# Allegro board 6089-119-RevA_41.brd
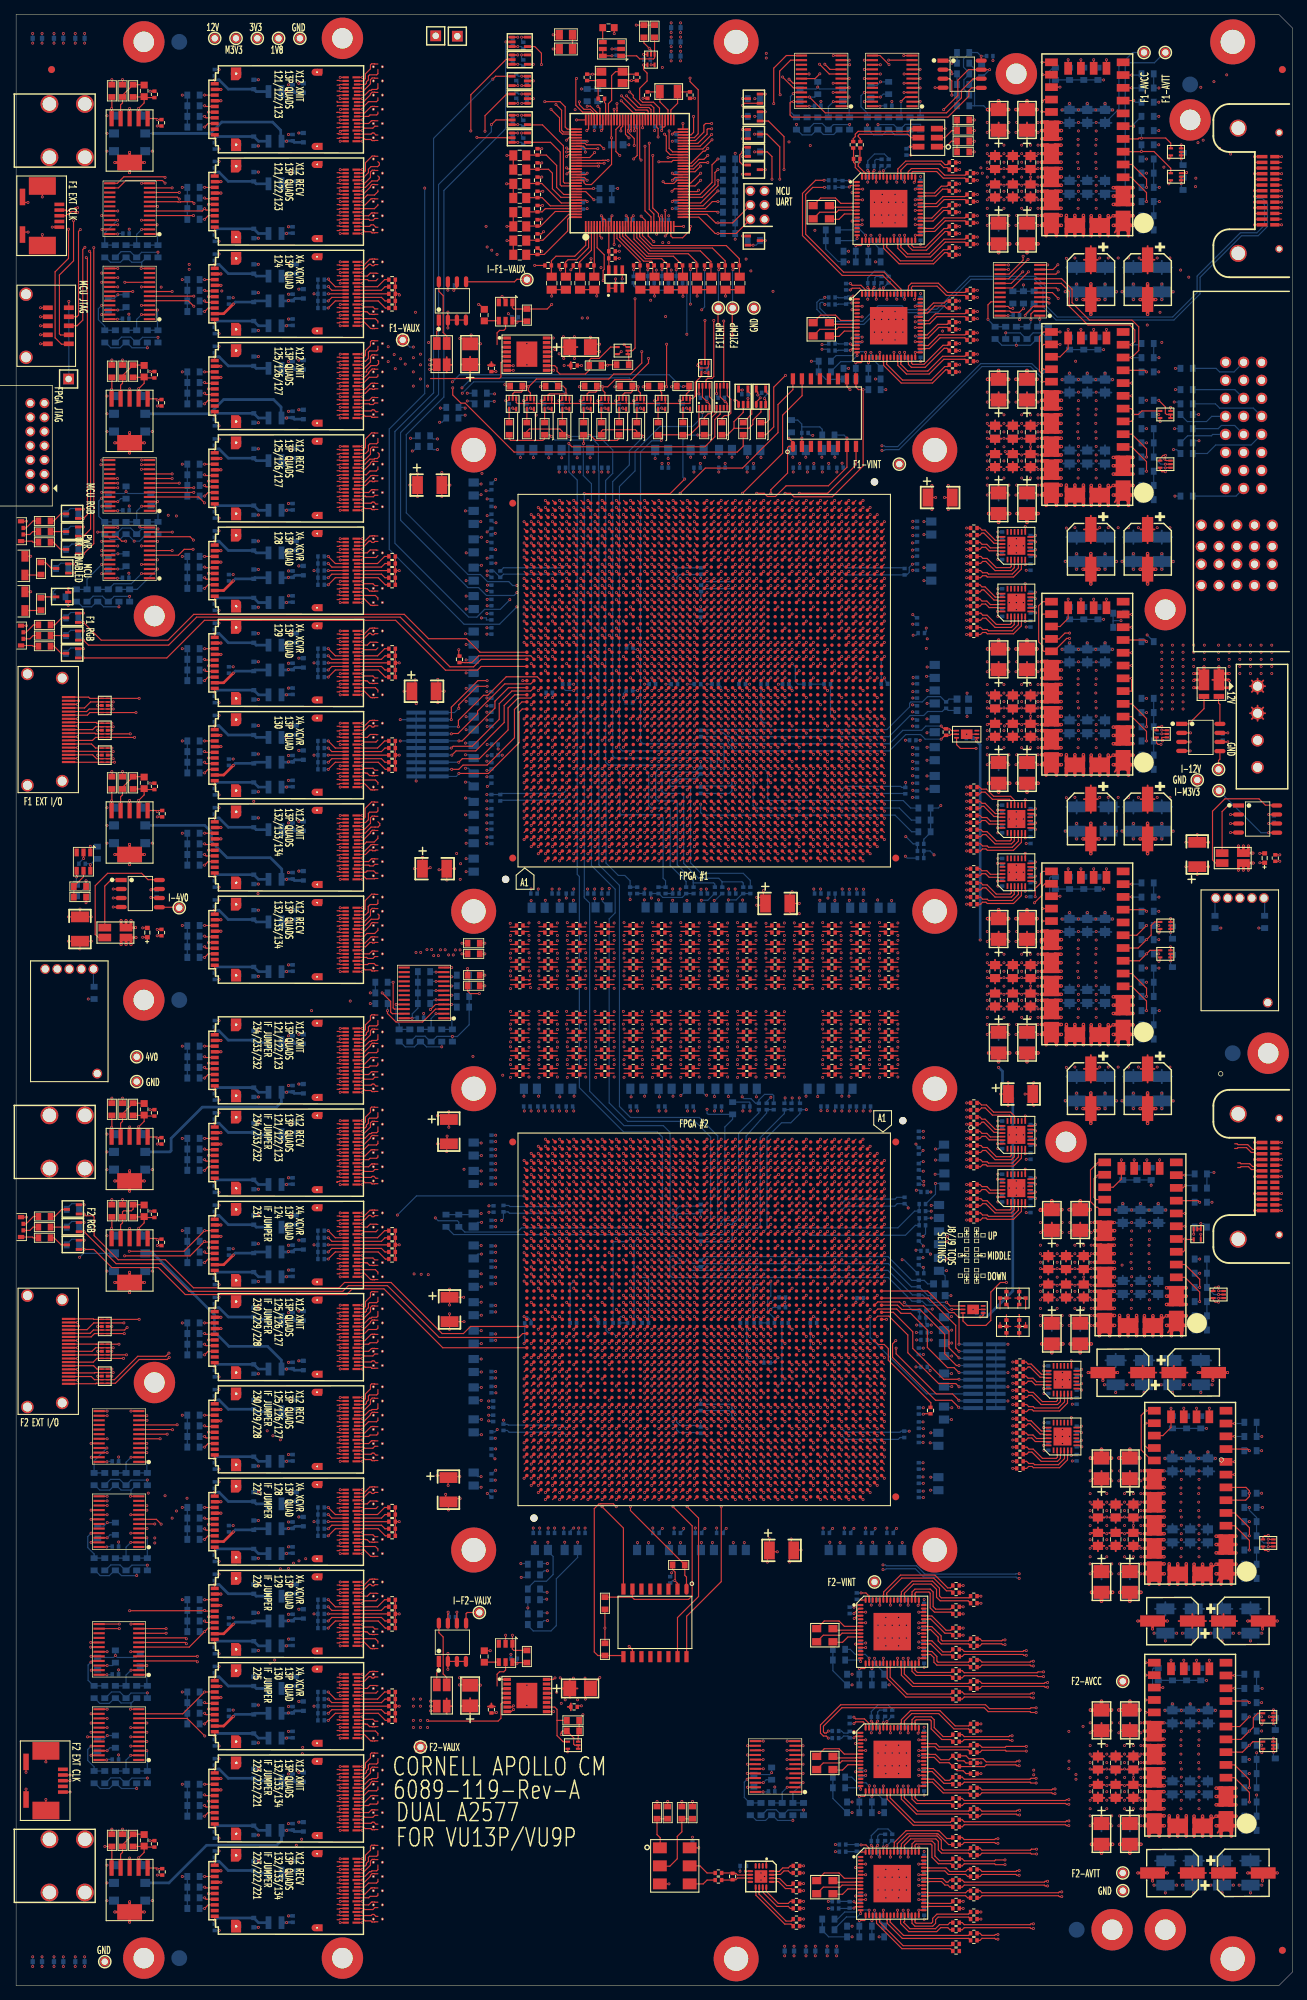
[diagram p0: board, top side]
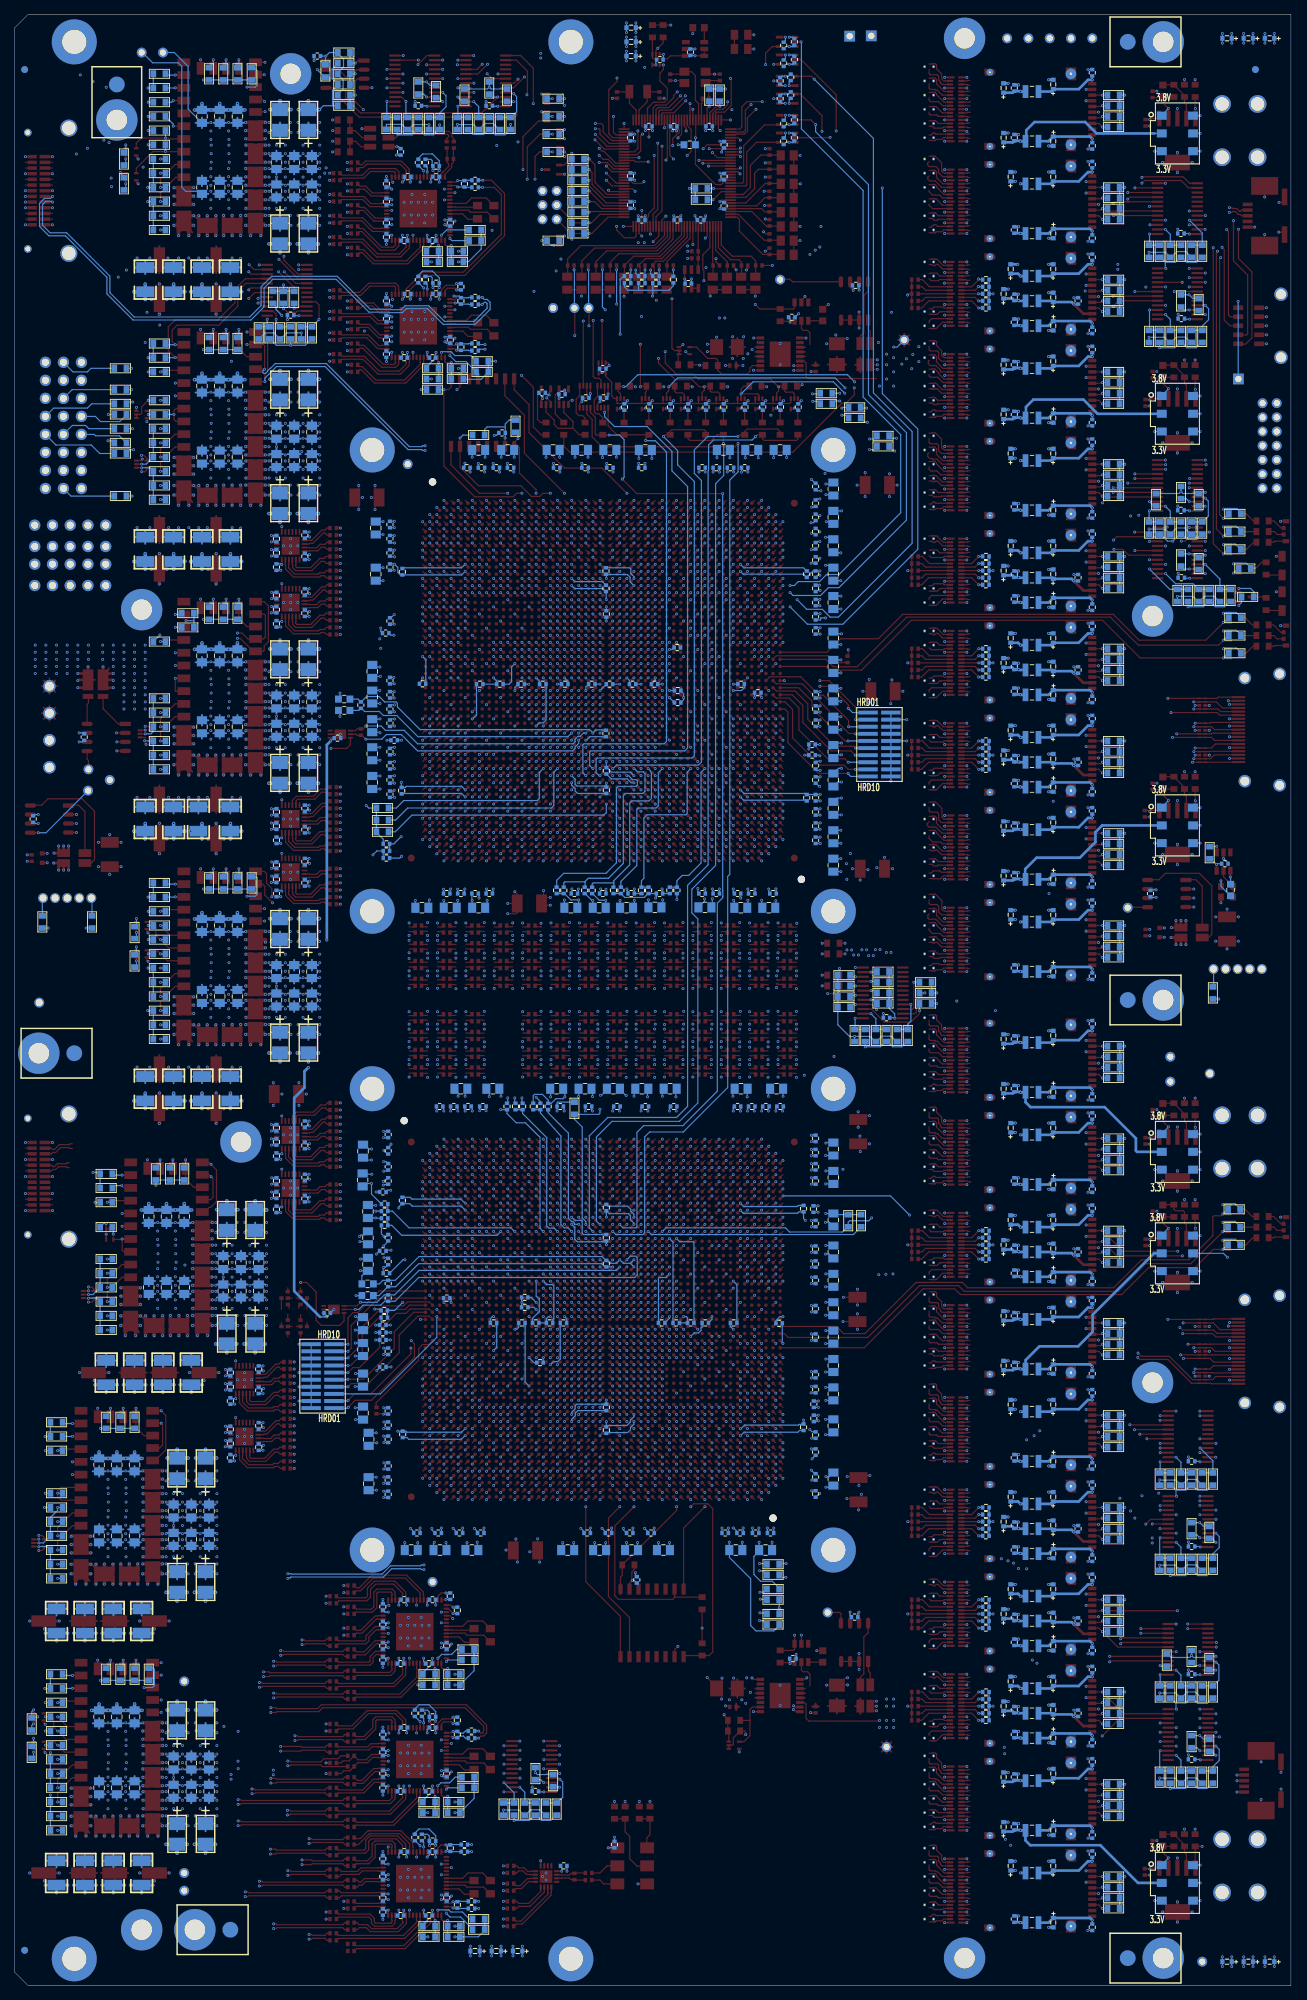
[diagram p1: board, bottom side, seen from below]

Outline 179.97 x 277.8 mm; copper layers: TOP, GND1, SIG1, GND2, SIG2, GND3, PWR1, PWR2, PWR3, PWR4, PWR5, PWR6, GND4, SIG3, GND5, SIG4, GND6, BOTTOM. Coordinates in mm from the lower left corner of the outline.
Outline path: 0,277.8 177.97,277.8 179.97,275.8 179.97,2 177.97,0 0,0 0,277.8

## Design rules (mm)
constraint set DEFAULT: min track width 0.165, pair gap 0.254
net group DP_AC_UTIL: nets AC_NUTIL AC_PUTIL
net group DP_BC_R0_OSC: nets BC_NR0_OSC BC_PR0_OSC
net group DP_F1_TCDS_CROSS_RECV_B: nets NF1_TCDS_CROSS_RECV_B PF1_TCDS_CROSS_RECV_B
net group DP_F1_TCDS_CROSS_XMIT_B: nets NF1_TCDS_CROSS_XMIT_B PF1_TCDS_CROSS_XMIT_B
net group DP_F2_TCDS_CROSS_RECV_B: nets NF2_TCDS_CROSS_RECV_B PF2_TCDS_CROSS_RECV_B
net group DP_F2_TCDS_CROSS_XMIT_B: nets NF2_TCDS_CROSS_XMIT_B PF2_TCDS_CROSS_XMIT_B
net group DP_100_OHM_PH: nets AC_NF1_TCDS40_CLK AC_NF1_TCDS_RECOV_CLK AC_NF1_XTAL_200 AC_NF1L_R0_AB AC_NF1L_R0_AD AC_NF1L_R0_AF AC_NF1L_R0_R AC_NF1L_R0_U AC_NF1L_R0_V AC_NF1L_R0_Y AC_NF1L_R1_AB AC_NF1L_R1_AD AC_NF1L_R1_AF AC_NF1L_R1_R AC_NF1L_R1_U AC_NF1L_R1_Y AC_NF1L_X4_R0_CLK AC_NF1L_X4_R0A AC_NF1L_X4_R0B AC_NF1L_X12_R0_CLK AC_NF1L_X12_R0A AC_NF1L_X12_R0B AC_NF1R_R0_B AC_NF1R_R0_E AC_NF1R_R0_F AC_NF1R_R0_G AC_NF1R_R0_I AC_NF1R_R0_L AC_NF1R_R0_N AC_NF1R_R1_B AC_NF1R_R1_E AC_NF1R_R1_G AC_NF1R_R1_I AC_NF1R_R1_L AC_NF1R_R1_N AC_NF1R_X4_R0_CLK AC_NF1R_X4_R0A AC_NF1R_X4_R0B AC_NF1R_X12_R0_CLK AC_NF1R_X12_R0A AC_NF1R_X12_R0B AC_NF2_TCDS40_CLK AC_NF2_XTAL_200 AC_NF2L_R0_AB AC_NF2L_R0_AD AC_NF2L_R0_AF AC_NF2L_R0_R AC_NF2L_R0_U AC_NF2L_R0_V AC_NF2L_R0_Y AC_NF2L_R1_AD AC_NF2L_R1_AF AC_NF2L_R1_R AC_NF2L_R1_U AC_NF2L_R1_Y AC_NF2L_X4_R0_CLK AC_NF2L_X4_R0A AC_NF2L_X4_R0B AC_NF2L_X12_R0_CLK AC_NF2L_X12_R0A AC_NF2L_X12_R0B AC_NF2R_R0_B AC_NF2R_R0_E AC_NF2R_R0_F AC_NF2R_R0_I AC_NF2R_R0_L AC_NF2R_R0_N AC_NF2R_R0_P AC_NF2R_R1_B AC_NF2R_R1_E AC_NF2R_R1_I AC_NF2R_R1_L AC_NF2R_R1_N AC_NF2R_R1_P AC_NF2R_X4_R0_CLK AC_NF2R_X4_R0A AC_NF2R_X4_R0B AC_NF2R_X12_R0_CLK AC_NF2R_X12_R0A AC_NF2R_X12_R0B AC_NHQ_CLK_IN AC_NLHC_CLK_IN AC_NNO_F2_TCDS40_CLK AC_NR0_FP_CLK AC_NR0_OSC AC_NR0A_FB AC_NR0B_FB AC_NR1_FP_CLK AC_NR1A_FB AC_NR1B_FB AC_NSYN_R0A_INA AC_NSYN_R0B_IN0 AC_NSYN_R1B_IN0 AC_NSYN_R1C_IN0 AC_PF1_TCDS40_CLK AC_PF1_TCDS_RECOV_CLK AC_PF1_XTAL_200 AC_PF1L_R0_AB AC_PF1L_R0_AD AC_PF1L_R0_AF AC_PF1L_R0_R AC_PF1L_R0_U AC_PF1L_R0_V AC_PF1L_R0_Y AC_PF1L_R1_AB AC_PF1L_R1_AD AC_PF1L_R1_AF AC_PF1L_R1_R AC_PF1L_R1_U AC_PF1L_R1_Y AC_PF1L_X4_R0_CLK AC_PF1L_X4_R0A AC_PF1L_X4_R0B AC_PF1L_X12_R0_CLK AC_PF1L_X12_R0A AC_PF1L_X12_R0B AC_PF1R_R0_B AC_PF1R_R0_E AC_PF1R_R0_F AC_PF1R_R0_G AC_PF1R_R0_I AC_PF1R_R0_L AC_PF1R_R0_N AC_PF1R_R1_B AC_PF1R_R1_E AC_PF1R_R1_G AC_PF1R_R1_I AC_PF1R_R1_L AC_PF1R_R1_N AC_PF1R_X4_R0_CLK AC_PF1R_X4_R0A AC_PF1R_X4_R0B AC_PF1R_X12_R0_CLK AC_PF1R_X12_R0A AC_PF1R_X12_R0B AC_PF2_TCDS40_CLK AC_PF2_XTAL_200 AC_PF2L_R0_AB AC_PF2L_R0_AD AC_PF2L_R0_AF AC_PF2L_R0_R AC_PF2L_R0_U AC_PF2L_R0_V AC_PF2L_R0_Y AC_PF2L_R1_AD AC_PF2L_R1_AF AC_PF2L_R1_R AC_PF2L_R1_U AC_PF2L_R1_Y AC_PF2L_X4_R0_CLK AC_PF2L_X4_R0A AC_PF2L_X4_R0B AC_PF2L_X12_R0_CLK AC_PF2L_X12_R0A AC_PF2L_X12_R0B AC_PF2R_R0_B AC_PF2R_R0_E AC_PF2R_R0_F AC_PF2R_R0_I AC_PF2R_R0_L AC_PF2R_R0_N AC_PF2R_R0_P AC_PF2R_R1_B AC_PF2R_R1_E AC_PF2R_R1_I AC_PF2R_R1_L AC_PF2R_R1_N AC_PF2R_R1_P AC_PF2R_X4_R0_CLK AC_PF2R_X4_R0A AC_PF2R_X4_R0B AC_PF2R_X12_R0_CLK AC_PF2R_X12_R0A AC_PF2R_X12_R0B AC_PHQ_CLK_IN AC_PLHC_CLK_IN AC_PNO_F2_TCDS40_CLK AC_PR0_FP_CLK AC_PR0_OSC AC_PR0A_FB AC_PR0B_FB AC_PR1_FP_CLK AC_PR1A_FB AC_PR1B_FB AC_PSYN_R0A_IN1 AC_PSYN_R0B_IN0 AC_PSYN_R1B_IN0 AC_PSYN_R1C_IN0 BC_NF1_TCDS_RECOV_CLK BC_NF1L_R0_1 BC_NF1L_R0_2 BC_NF1L_R0_3 BC_NF1L_R0_4 BC_NF1L_R0_5 BC_NF1L_R0_6 BC_NF1L_R0_7 BC_NF1L_R0_8 BC_NF1R_R0_1 BC_NF1R_R0_2 BC_NF1R_R0_3 BC_NF1R_R0_4 BC_NF1R_R0_5 BC_NF1R_R0_6 BC_NF1R_R0_7 BC_NF1R_R0_8 BC_NF2L_R0_1 BC_NF2L_R0_2 BC_NF2L_R0_3 BC_NF2L_R0_4 BC_NF2L_R0_5 BC_NF2L_R0_6 BC_NF2L_R0_7 BC_NF2L_R0_8 BC_NF2R_R0_1 BC_NF2R_R0_2 BC_NF2R_R0_3 BC_NF2R_R0_4 BC_NF2R_R0_5 BC_NF2R_R0_6 BC_NF2R_R0_7 BC_NF2R_R0_8 BC_NHQ_CLK_IN BC_NLHC_CLK_IN BC_NR0_FP_CLK BC_NR0A_0 BC_NR0A_1 BC_NR0A_2 BC_NR0A_3 BC_NR0A_4 BC_NR0A_5 BC_NR0A_6 BC_NR0A_7 BC_NR0A_8 BC_NR0A_FB BC_NR0B_1 BC_NR0B_2 BC_NR0B_3 BC_NR0B_4 BC_NR0B_5 BC_NR0B_6 BC_NR0B_7 BC_NR0B_8 BC_NR0B_FB BC_NR1_FP_CLK BC_NR1A_0 BC_NR1A_1 BC_NR1A_2 BC_NR1A_3 BC_NR1A_4 BC_NR1A_5 BC_NR1A_6 BC_NR1A_7 BC_NR1A_8 BC_NR1A_9 BC_NR1A_10 BC_NR1A_FB BC_NR1B_0 BC_NR1B_1 BC_NR1B_2 BC_NR1B_3 BC_NR1B_4 BC_NR1B_5 BC_NR1B_6 BC_NR1B_7 BC_NR1B_8 BC_NR1B_FB BC_NR1C_0 BC_NR1C_1 BC_NR1C_2 BC_NR1C_3 BC_NR1C_4 BC_NR1C_5 BC_NR1C_6 BC_NR1C_7 BC_NR1C_8 BC_NR1C_9 BC_NUTIL BC_NUTIL_0 BC_NUTIL_1 BC_NUTIL_2 BC_NUTIL_3 BC_PF1_TCDS_RECOV_CLK BC_PF1L_R0_1 BC_PF1L_R0_2 BC_PF1L_R0_3 BC_PF1L_R0_4 BC_PF1L_R0_5 BC_PF1L_R0_6 BC_PF1L_R0_7 BC_PF1L_R0_8 BC_PF1R_R0_1 BC_PF1R_R0_2 BC_PF1R_R0_3 BC_PF1R_R0_4 BC_PF1R_R0_5 BC_PF1R_R0_6 BC_PF1R_R0_7 BC_PF1R_R0_8 BC_PF2L_R0_1 BC_PF2L_R0_2 BC_PF2L_R0_3 BC_PF2L_R0_4 BC_PF2L_R0_5 BC_PF2L_R0_6 BC_PF2L_R0_7 BC_PF2L_R0_8 BC_PF2R_R0_1 BC_PF2R_R0_2 BC_PF2R_R0_3 BC_PF2R_R0_4 BC_PF2R_R0_5 BC_PF2R_R0_6 BC_PF2R_R0_7 BC_PF2R_R0_8 BC_PHQ_CLK_IN BC_PLHC_CLK_IN BC_PR0_FP_CLK BC_PR0A_0 BC_PR0A_1 BC_PR0A_2 BC_PR0A_3 BC_PR0A_4 BC_PR0A_5 BC_PR0A_6 BC_PR0A_7 BC_PR0A_8 BC_PR0A_FB BC_PR0B_1 BC_PR0B_2 BC_PR0B_3 BC_PR0B_4 BC_PR0B_5 BC_PR0B_6 BC_PR0B_7 BC_PR0B_8 BC_PR0B_FB BC_PR1_FP_CLK BC_PR1A_0 BC_PR1A_1 BC_PR1A_2 BC_PR1A_3 BC_PR1A_4 BC_PR1A_5 BC_PR1A_6 BC_PR1A_7 BC_PR1A_8 BC_PR1A_9 BC_PR1A_10 BC_PR1A_FB BC_PR1B_0 BC_PR1B_1 BC_PR1B_2 BC_PR1B_3 BC_PR1B_4 BC_PR1B_5 BC_PR1B_6 BC_PR1B_7 BC_PR1B_8 BC_PR1B_FB BC_PR1C_0 BC_PR1C_1 BC_PR1C_2 BC_PR1C_3 BC_PR1C_4 BC_PR1C_5 BC_PR1C_6 BC_PR1C_7 BC_PR1C_8 BC_PR1C_9 BC_PUTIL BC_PUTIL_0 BC_PUTIL_1 BC_PUTIL_2 BC_PUTIL_3 NF1F2_SPARE0 NF1F2_SPARE1 NF1F2_SPARE2 NF2F1_SPARE0 NF2F1_SPARE1 NF2F1_SPARE2 NV_1V8_SENSE NV_3V3_SENSE NV_F1_AVCC_SENSE NV_F1_AVTT_SENSE NV_F1_INT_SENSE NV_F2_AVCC_SENSE NV_F2_AVTT_SENSE NV_F2_INT_SENSE NXTAL_R0A NXTAL_R1A NXTAL_R1B NXTAL_R1C PF1F2_SPARE0 PF1F2_SPARE1 PF1F2_SPARE2 PF2F1_SPARE0 PF2F1_SPARE1 PF2F1_SPARE2 PV_1V8_SENSE PV_3V3_SENSE PV_F1_AVCC_SENSE PV_F1_AVTT_SENSE PV_F1_INT_SENSE PV_F2_AVCC_SENSE PV_F2_AVTT_SENSE PV_F2_INT_SENSE PXTAL_R0A PXTAL_R1A PXTAL_R1B PXTAL_R1C
net group SCS_MGT: nets NCON1_TCDS_IN NCON1_TCDS_OUT NCON2_TCDS_IN NCON2_TCDS_MIXED_IN NCON2_TCDS_MIXED_OUT NCON2_TCDS_OUT NF1_A_RECV0 NF1_A_RECV1 NF1_A_RECV2 NF1_A_RECV3 NF1_A_XMIT0 NF1_A_XMIT1 NF1_A_XMIT2 NF1_A_XMIT3 NF1_B_RECV0 NF1_B_RECV1 NF1_B_RECV2 NF1_B_RECV3 NF1_B_XMIT0 NF1_B_XMIT1 NF1_B_XMIT2 NF1_B_XMIT3 NF1_C_RECV0 NF1_C_RECV1 NF1_C_RECV2 NF1_C_RECV3 NF1_C_XMIT0 NF1_C_XMIT1 NF1_C_XMIT2 NF1_C_XMIT3 NF1_D_RECV0 NF1_D_RECV1 NF1_D_RECV2 NF1_D_RECV3 NF1_D_XMIT0 NF1_D_XMIT1 NF1_D_XMIT2 NF1_D_XMIT3 NF1_E_RECV0 NF1_E_RECV1 NF1_E_RECV2 NF1_E_RECV3 NF1_E_XMIT0 NF1_E_XMIT1 NF1_E_XMIT2 NF1_E_XMIT3 NF1_F_RECV0 NF1_F_RECV1 NF1_F_RECV2 NF1_F_RECV3 NF1_F_XMIT0 NF1_F_XMIT1 NF1_F_XMIT2 NF1_F_XMIT3 NF1_FF1_RECV0 NF1_FF1_RECV1 NF1_FF1_RECV2 NF1_FF1_RECV3 NF1_FF1_RECV4 NF1_FF1_RECV5 NF1_FF1_RECV6 NF1_FF1_RECV7 NF1_FF1_RECV8 NF1_FF1_RECV9 NF1_FF1_RECV10 NF1_FF1_RECV11 NF1_FF1_XMIT0 NF1_FF1_XMIT1 NF1_FF1_XMIT2 NF1_FF1_XMIT3 NF1_FF1_XMIT4 NF1_FF1_XMIT5 NF1_FF1_XMIT6 NF1_FF1_XMIT7 NF1_FF1_XMIT8 NF1_FF1_XMIT9 NF1_FF1_XMIT10 NF1_FF1_XMIT11 NF1_FF2_RECV0 NF1_FF2_RECV1 NF1_FF2_RECV2 NF1_FF2_RECV3 NF1_FF2_RECV4 NF1_FF2_RECV5 NF1_FF2_RECV6 NF1_FF2_RECV7 NF1_FF2_RECV8 NF1_FF2_RECV9 NF1_FF2_RECV10 NF1_FF2_RECV11 NF1_FF2_XMIT0 NF1_FF2_XMIT1 NF1_FF2_XMIT2 NF1_FF2_XMIT3 NF1_FF2_XMIT4 NF1_FF2_XMIT5 NF1_FF2_XMIT6 NF1_FF2_XMIT7 NF1_FF2_XMIT8 NF1_FF2_XMIT9 NF1_FF2_XMIT10 NF1_FF2_XMIT11 NF1_FF3_RECV0 NF1_FF3_RECV1 NF1_FF3_RECV2 NF1_FF3_RECV3 NF1_FF3_RECV4 NF1_FF3_RECV5 NF1_FF3_RECV6 NF1_FF3_RECV7 NF1_FF3_RECV8 NF1_FF3_RECV9 NF1_FF3_RECV10 NF1_FF3_RECV11 NF1_FF3_XMIT0 NF1_FF3_XMIT1 NF1_FF3_XMIT2 NF1_FF3_XMIT3 NF1_FF3_XMIT4 NF1_FF3_XMIT5 NF1_FF3_XMIT6 NF1_FF3_XMIT7 NF1_FF3_XMIT8 NF1_FF3_XMIT9 NF1_FF3_XMIT10 NF1_FF3_XMIT11 NF1_FF4_RECV0 NF1_FF4_RECV1 NF1_FF4_RECV2 NF1_FF4_RECV3 NF1_FF4_XMIT0 NF1_FF4_XMIT1 NF1_FF4_XMIT2 NF1_FF4_XMIT3 NF1_FF5_RECV0 NF1_FF5_RECV1 NF1_FF5_RECV2 NF1_FF5_RECV3 NF1_FF5_XMIT0 NF1_FF5_XMIT1 NF1_FF5_XMIT2 NF1_FF5_XMIT3 NF1_FF6_RECV0 NF1_FF6_RECV1 NF1_FF6_RECV2 NF1_FF6_RECV3 NF1_FF6_XMIT0 NF1_FF6_XMIT1 NF1_FF6_XMIT2 NF1_FF6_XMIT3 NF1_FF7_RECV0 NF1_FF7_RECV1 NF1_FF7_RECV2 NF1_FF7_RECV3 NF1_FF7_XMIT0 NF1_FF7_XMIT1 NF1_FF7_XMIT2 NF1_FF7_XMIT3 NF1_G_RECV0 NF1_G_RECV1 NF1_G_RECV2 NF1_G_RECV3 NF1_G_XMIT0 NF1_G_XMIT1 NF1_G_XMIT2 NF1_G_XMIT3 NF1_H_RECV0 NF1_H_RECV1 NF1_H_RECV2 NF1_H_RECV3 NF1_H_XMIT0 NF1_H_XMIT1 NF1_H_XMIT2 NF1_H_XMIT3 NF1_I_RECV0 NF1_I_RECV1 NF1_I_RECV2 NF1_I_RECV3 NF1_I_XMIT0 NF1_I_XMIT1 NF1_I_XMIT2 NF1_I_XMIT3 NF1_J_RECV0 NF1_J_RECV1 NF1_J_RECV2 NF1_J_RECV3 NF1_J_XMIT0 NF1_J_XMIT1 NF1_J_XMIT2 NF1_J_XMIT3 NF1_M_RECV0 NF1_M_RECV1 NF1_M_RECV2 NF1_M_RECV3 NF1_M_XMIT0 NF1_M_XMIT1 NF1_M_XMIT2 NF1_M_XMIT3 NF1_N_RECV0 NF1_N_RECV1 NF1_N_RECV2 NF1_N_RECV3 NF1_N_XMIT0 NF1_N_XMIT1 NF1_N_XMIT2 NF1_N_XMIT3 NF1_O_RECV0 NF1_O_RECV1 NF1_O_RECV2 NF1_O_RECV3 NF1_O_XMIT0 NF1_O_XMIT1 NF1_O_XMIT2 NF1_O_XMIT3 NF1_TCDS_CROSS_RECV_A NF1_TCDS_CROSS_XMIT_A NF2_A_RECV0 NF2_A_RECV1 NF2_A_RECV2 NF2_A_RECV3 NF2_A_XMIT0 NF2_A_XMIT1 NF2_A_XMIT2 NF2_A_XMIT3 NF2_B_RECV0 NF2_B_RECV1 NF2_B_RECV2 NF2_B_RECV3 NF2_B_XMIT0 NF2_B_XMIT1 NF2_B_XMIT2 NF2_B_XMIT3 NF2_C_RECV0 NF2_C_RECV1 NF2_C_RECV2 NF2_C_RECV3 NF2_C_XMIT0 NF2_C_XMIT1 NF2_C_XMIT2 NF2_C_XMIT3 NF2_D_RECV0 NF2_D_RECV1 NF2_D_RECV2 NF2_D_RECV3 NF2_D_XMIT0 NF2_D_XMIT1 NF2_D_XMIT2 NF2_D_XMIT3 NF2_E_RECV0 NF2_E_RECV1 NF2_E_RECV2 NF2_E_RECV3 NF2_E_XMIT0 NF2_E_XMIT1 NF2_E_XMIT2 NF2_E_XMIT3 NF2_F_RECV0 NF2_F_RECV1 NF2_F_RECV2 NF2_F_RECV3 NF2_F_XMIT0 NF2_F_XMIT1 NF2_F_XMIT2 NF2_F_XMIT3 NF2_FF1_RECV0 NF2_FF1_RECV1 NF2_FF1_RECV2 NF2_FF1_RECV3 NF2_FF1_RECV4 NF2_FF1_RECV5 NF2_FF1_RECV6 NF2_FF1_RECV7 NF2_FF1_RECV8 NF2_FF1_RECV9 NF2_FF1_RECV10 NF2_FF1_RECV11 NF2_FF1_XMIT0 NF2_FF1_XMIT1 NF2_FF1_XMIT2 NF2_FF1_XMIT3 NF2_FF1_XMIT4 NF2_FF1_XMIT5 NF2_FF1_XMIT6 NF2_FF1_XMIT7 NF2_FF1_XMIT8 NF2_FF1_XMIT9 NF2_FF1_XMIT10 NF2_FF1_XMIT11 NF2_FF2_RECV0 NF2_FF2_RECV1 NF2_FF2_RECV2 NF2_FF2_RECV3 NF2_FF2_RECV4 NF2_FF2_RECV5 NF2_FF2_RECV6 NF2_FF2_RECV7 NF2_FF2_RECV8 NF2_FF2_RECV9 NF2_FF2_RECV10 NF2_FF2_RECV11 NF2_FF2_XMIT0 NF2_FF2_XMIT1 NF2_FF2_XMIT2 NF2_FF2_XMIT3 NF2_FF2_XMIT4 NF2_FF2_XMIT5 NF2_FF2_XMIT6 NF2_FF2_XMIT7 NF2_FF2_XMIT8 NF2_FF2_XMIT9 NF2_FF2_XMIT10 NF2_FF2_XMIT11 NF2_FF3_RECV0 NF2_FF3_RECV1 NF2_FF3_RECV2 NF2_FF3_RECV3 NF2_FF3_RECV4 NF2_FF3_RECV5 NF2_FF3_RECV6 NF2_FF3_RECV7 NF2_FF3_RECV8 NF2_FF3_RECV9 NF2_FF3_RECV10 NF2_FF3_RECV11 NF2_FF3_XMIT0 NF2_FF3_XMIT1 NF2_FF3_XMIT2 NF2_FF3_XMIT3 NF2_FF3_XMIT4 NF2_FF3_XMIT5 NF2_FF3_XMIT6 NF2_FF3_XMIT7 NF2_FF3_XMIT8 NF2_FF3_XMIT9 NF2_FF3_XMIT10 NF2_FF3_XMIT11 NF2_FF4_RECV0 NF2_FF4_RECV1 NF2_FF4_RECV2 NF2_FF4_RECV3 NF2_FF4_XMIT0 NF2_FF4_XMIT1 NF2_FF4_XMIT2 NF2_FF4_XMIT3 NF2_FF5_RECV0 NF2_FF5_RECV1 NF2_FF5_RECV2 NF2_FF5_RECV3 NF2_FF5_XMIT0 NF2_FF5_XMIT1 NF2_FF5_XMIT2 NF2_FF5_XMIT3 NF2_FF6_RECV0 NF2_FF6_RECV1 NF2_FF6_RECV2 NF2_FF6_RECV3 NF2_FF6_XMIT0 NF2_FF6_XMIT1 NF2_FF6_XMIT2 NF2_FF6_XMIT3 NF2_FF7_RECV0 NF2_FF7_RECV1 NF2_FF7_RECV2 NF2_FF7_RECV3 NF2_FF7_XMIT0 NF2_FF7_XMIT1 NF2_FF7_XMIT2 NF2_FF7_XMIT3 NF2_H_RECV0 NF2_H_RECV1 NF2_H_RECV2 NF2_H_RECV3 NF2_H_XMIT0 NF2_H_XMIT1 NF2_H_XMIT2 NF2_H_XMIT3 NF2_I_RECV0 NF2_I_RECV1 NF2_I_RECV2 NF2_I_RECV3 NF2_I_XMIT0 NF2_I_XMIT1 NF2_I_XMIT2 NF2_I_XMIT3 NF2_J_RECV0 NF2_J_RECV1 NF2_J_RECV2 NF2_J_RECV3 NF2_J_XMIT0 NF2_J_XMIT1 NF2_J_XMIT2 NF2_J_XMIT3 NF2_M_RECV0 NF2_M_RECV1 NF2_M_RECV2 NF2_M_RECV3 NF2_M_XMIT0 NF2_M_XMIT1 NF2_M_XMIT2 NF2_M_XMIT3 NF2_N_RECV0 NF2_N_RECV1 NF2_N_RECV2 NF2_N_RECV3 NF2_N_XMIT0 NF2_N_XMIT1 NF2_N_XMIT2 NF2_N_XMIT3 NF2_O_RECV0 NF2_O_RECV1 NF2_O_RECV2 NF2_O_RECV3 NF2_O_XMIT0 NF2_O_XMIT1 NF2_O_XMIT2 NF2_O_XMIT3 NF2_P_RECV0 NF2_P_RECV1 NF2_P_RECV2 NF2_P_RECV3 NF2_P_XMIT0 NF2_P_XMIT1 NF2_P_XMIT2 NF2_P_XMIT3 NF2_TCDS_CROSS_RECV_A NF2_TCDS_CROSS_XMIT_A NMGT_F1_TO_SM_1 NMGT_F1_TO_SM_2 NMGT_F2_TO_SM_1 NMGT_F2_TO_SM_2 NMGT_SM_TO_F1_1 NMGT_SM_TO_F1_2 NMGT_SM_TO_F2_1 NMGT_SM_TO_F2_2 NTCDS_FROM_ZYNQ_A NTCDS_FROM_ZYNQ_B NTCDS_TO_ZYNQ_A NTCDS_TO_ZYNQ_B PCON1_TCDS_IN PCON1_TCDS_OUT PCON2_TCDS_IN PCON2_TCDS_MIXED_IN PCON2_TCDS_MIXED_OUT PCON2_TCDS_OUT PF1_A_RECV0 PF1_A_RECV1 PF1_A_RECV2 PF1_A_RECV3 PF1_A_XMIT0 PF1_A_XMIT1 PF1_A_XMIT2 PF1_A_XMIT3 PF1_B_RECV0 PF1_B_RECV1 PF1_B_RECV2 PF1_B_RECV3 PF1_B_XMIT0 PF1_B_XMIT1 PF1_B_XMIT2 PF1_B_XMIT3 PF1_C_RECV0 PF1_C_RECV1 PF1_C_RECV2 PF1_C_RECV3 PF1_C_XMIT0 PF1_C_XMIT1 PF1_C_XMIT2 PF1_C_XMIT3 PF1_D_RECV0 PF1_D_RECV1 PF1_D_RECV2 PF1_D_RECV3 PF1_D_XMIT0 PF1_D_XMIT1 PF1_D_XMIT2 PF1_D_XMIT3 PF1_E_RECV0 PF1_E_RECV1 PF1_E_RECV2 PF1_E_RECV3 PF1_E_XMIT0 PF1_E_XMIT1 PF1_E_XMIT2 PF1_E_XMIT3 PF1_F_RECV0 PF1_F_RECV1 PF1_F_RECV2 PF1_F_RECV3 PF1_F_XMIT0 PF1_F_XMIT1 PF1_F_XMIT2 PF1_F_XMIT3 PF1_FF1_RECV0 PF1_FF1_RECV1 PF1_FF1_RECV2 PF1_FF1_RECV3 PF1_FF1_RECV4 PF1_FF1_RECV5 PF1_FF1_RECV6 PF1_FF1_RECV7 PF1_FF1_RECV8 PF1_FF1_RECV9 PF1_FF1_RECV10 PF1_FF1_RECV11 PF1_FF1_XMIT0 PF1_FF1_XMIT1 PF1_FF1_XMIT2 PF1_FF1_XMIT3 PF1_FF1_XMIT4 PF1_FF1_XMIT5 PF1_FF1_XMIT6 PF1_FF1_XMIT7 PF1_FF1_XMIT8 PF1_FF1_XMIT9 PF1_FF1_XMIT10 PF1_FF1_XMIT11 PF1_FF2_RECV0 PF1_FF2_RECV1 PF1_FF2_RECV2 PF1_FF2_RECV3 PF1_FF2_RECV4 PF1_FF2_RECV5 PF1_FF2_RECV6 PF1_FF2_RECV7 PF1_FF2_RECV8 PF1_FF2_RECV9 PF1_FF2_RECV10 PF1_FF2_RECV11 PF1_FF2_XMIT0 PF1_FF2_XMIT1 PF1_FF2_XMIT2 PF1_FF2_XMIT3 PF1_FF2_XMIT4 PF1_FF2_XMIT5 PF1_FF2_XMIT6 PF1_FF2_XMIT7 PF1_FF2_XMIT8 PF1_FF2_XMIT9 PF1_FF2_XMIT10 PF1_FF2_XMIT11 PF1_FF3_RECV0 PF1_FF3_RECV1 PF1_FF3_RECV2 PF1_FF3_RECV3 PF1_FF3_RECV4 PF1_FF3_RECV5 PF1_FF3_RECV6 PF1_FF3_RECV7 PF1_FF3_RECV8 PF1_FF3_RECV9 PF1_FF3_RECV10 PF1_FF3_RECV11 PF1_FF3_XMIT0 PF1_FF3_XMIT1 PF1_FF3_XMIT2 PF1_FF3_XMIT3 PF1_FF3_XMIT4 PF1_FF3_XMIT5 PF1_FF3_XMIT6 PF1_FF3_XMIT7 PF1_FF3_XMIT8 PF1_FF3_XMIT9 PF1_FF3_XMIT10 PF1_FF3_XMIT11 PF1_FF4_RECV0 PF1_FF4_RECV1 PF1_FF4_RECV2 PF1_FF4_RECV3 PF1_FF4_XMIT0 PF1_FF4_XMIT1 PF1_FF4_XMIT2 PF1_FF4_XMIT3 PF1_FF5_RECV0 PF1_FF5_RECV1 PF1_FF5_RECV2 PF1_FF5_RECV3 PF1_FF5_XMIT0 PF1_FF5_XMIT1 PF1_FF5_XMIT2 PF1_FF5_XMIT3 PF1_FF6_RECV0 PF1_FF6_RECV1 PF1_FF6_RECV2 PF1_FF6_RECV3 PF1_FF6_XMIT0 PF1_FF6_XMIT1 PF1_FF6_XMIT2 PF1_FF6_XMIT3 PF1_FF7_RECV0 PF1_FF7_RECV1 PF1_FF7_RECV2 PF1_FF7_RECV3 PF1_FF7_XMIT0 PF1_FF7_XMIT1 PF1_FF7_XMIT2 PF1_FF7_XMIT3 PF1_G_RECV0 PF1_G_RECV1 PF1_G_RECV2 PF1_G_RECV3 PF1_G_XMIT0 PF1_G_XMIT1 PF1_G_XMIT2 PF1_G_XMIT3 PF1_H_RECV0 PF1_H_RECV1 PF1_H_RECV2 PF1_H_RECV3 PF1_H_XMIT0 PF1_H_XMIT1 PF1_H_XMIT2 PF1_H_XMIT3 PF1_I_RECV0 PF1_I_RECV1 PF1_I_RECV2 PF1_I_RECV3 PF1_I_XMIT0 PF1_I_XMIT1 PF1_I_XMIT2 PF1_I_XMIT3 PF1_J_RECV0 PF1_J_RECV1 PF1_J_RECV2 PF1_J_RECV3 PF1_J_XMIT0 PF1_J_XMIT1 PF1_J_XMIT2 PF1_J_XMIT3 PF1_M_RECV0 PF1_M_RECV1 PF1_M_RECV2 PF1_M_RECV3 PF1_M_XMIT0 PF1_M_XMIT1 PF1_M_XMIT2 PF1_M_XMIT3 PF1_N_RECV0 PF1_N_RECV1 PF1_N_RECV2 PF1_N_RECV3 PF1_N_XMIT0 PF1_N_XMIT1 PF1_N_XMIT2 PF1_N_XMIT3 PF1_O_RECV0 PF1_O_RECV1 PF1_O_RECV2 PF1_O_RECV3 PF1_O_XMIT0 PF1_O_XMIT1 PF1_O_XMIT2 PF1_O_XMIT3 PF1_TCDS_CROSS_RECV_A PF1_TCDS_CROSS_XMIT_A PF2_A_RECV0 PF2_A_RECV1 PF2_A_RECV2 PF2_A_RECV3 PF2_A_XMIT0 PF2_A_XMIT1 PF2_A_XMIT2 PF2_A_XMIT3 PF2_B_RECV0 PF2_B_RECV1 PF2_B_RECV2 PF2_B_RECV3 PF2_B_XMIT0 PF2_B_XMIT1 PF2_B_XMIT2 PF2_B_XMIT3 PF2_C_RECV0 PF2_C_RECV1 PF2_C_RECV2 PF2_C_RECV3 PF2_C_XMIT0 PF2_C_XMIT1 PF2_C_XMIT2 PF2_C_XMIT3 PF2_D_RECV0 PF2_D_RECV1 PF2_D_RECV2 PF2_D_RECV3 PF2_D_XMIT0 PF2_D_XMIT1 PF2_D_XMIT2 PF2_D_XMIT3 PF2_E_RECV0 PF2_E_RECV1 PF2_E_RECV2 PF2_E_RECV3 PF2_E_XMIT0 PF2_E_XMIT1 PF2_E_XMIT2 PF2_E_XMIT3 PF2_F_RECV0 PF2_F_RECV1 PF2_F_RECV2 PF2_F_RECV3 PF2_F_XMIT0 PF2_F_XMIT1 PF2_F_XMIT2 PF2_F_XMIT3 PF2_FF1_RECV0 PF2_FF1_RECV1 PF2_FF1_RECV2 PF2_FF1_RECV3 PF2_FF1_RECV4 PF2_FF1_RECV5 PF2_FF1_RECV6 PF2_FF1_RECV7 PF2_FF1_RECV8 PF2_FF1_RECV9 PF2_FF1_RECV10 PF2_FF1_RECV11 PF2_FF1_XMIT0 PF2_FF1_XMIT1 PF2_FF1_XMIT2 PF2_FF1_XMIT3 PF2_FF1_XMIT4 PF2_FF1_XMIT5 PF2_FF1_XMIT6 PF2_FF1_XMIT7 PF2_FF1_XMIT8 PF2_FF1_XMIT9 PF2_FF1_XMIT10 PF2_FF1_XMIT11 PF2_FF2_RECV0 PF2_FF2_RECV1 PF2_FF2_RECV2 PF2_FF2_RECV3 PF2_FF2_RECV4 PF2_FF2_RECV5 PF2_FF2_RECV6 PF2_FF2_RECV7 PF2_FF2_RECV8 PF2_FF2_RECV9 PF2_FF2_RECV10 PF2_FF2_RECV11 PF2_FF2_XMIT0 PF2_FF2_XMIT1 PF2_FF2_XMIT2 PF2_FF2_XMIT3 PF2_FF2_XMIT4 PF2_FF2_XMIT5 PF2_FF2_XMIT6 PF2_FF2_XMIT7 PF2_FF2_XMIT8 PF2_FF2_XMIT9 PF2_FF2_XMIT10 PF2_FF2_XMIT11 PF2_FF3_RECV0 PF2_FF3_RECV1 PF2_FF3_RECV2 PF2_FF3_RECV3 PF2_FF3_RECV4 PF2_FF3_RECV5 PF2_FF3_RECV6 PF2_FF3_RECV7 PF2_FF3_RECV8 PF2_FF3_RECV9 PF2_FF3_RECV10 PF2_FF3_RECV11 PF2_FF3_XMIT0 PF2_FF3_XMIT1 PF2_FF3_XMIT2 PF2_FF3_XMIT3 PF2_FF3_XMIT4 PF2_FF3_XMIT5 PF2_FF3_XMIT6 PF2_FF3_XMIT7 PF2_FF3_XMIT8 PF2_FF3_XMIT9 PF2_FF3_XMIT10 PF2_FF3_XMIT11 PF2_FF4_RECV0 PF2_FF4_RECV1 PF2_FF4_RECV2 PF2_FF4_RECV3 PF2_FF4_XMIT0 PF2_FF4_XMIT1 PF2_FF4_XMIT2 PF2_FF4_XMIT3 PF2_FF5_RECV0 PF2_FF5_RECV1 PF2_FF5_RECV2 PF2_FF5_RECV3 PF2_FF5_XMIT0 PF2_FF5_XMIT1 PF2_FF5_XMIT2 PF2_FF5_XMIT3 PF2_FF6_RECV0 PF2_FF6_RECV1 PF2_FF6_RECV2 PF2_FF6_RECV3 PF2_FF6_XMIT0 PF2_FF6_XMIT1 PF2_FF6_XMIT2 PF2_FF6_XMIT3 PF2_FF7_RECV0 PF2_FF7_RECV1 PF2_FF7_RECV2 PF2_FF7_RECV3 PF2_FF7_XMIT0 PF2_FF7_XMIT1 PF2_FF7_XMIT2 PF2_FF7_XMIT3 PF2_H_RECV0 PF2_H_RECV1 PF2_H_RECV2 PF2_H_RECV3 PF2_H_XMIT0 PF2_H_XMIT1 PF2_H_XMIT2 PF2_H_XMIT3 PF2_I_RECV0 PF2_I_RECV1 PF2_I_RECV2 PF2_I_RECV3 PF2_I_XMIT0 PF2_I_XMIT1 PF2_I_XMIT2 PF2_I_XMIT3 PF2_J_RECV0 PF2_J_RECV1 PF2_J_RECV2 PF2_J_RECV3 PF2_J_XMIT0 PF2_J_XMIT1 PF2_J_XMIT2 PF2_J_XMIT3 PF2_M_RECV0 PF2_M_RECV1 PF2_M_RECV2 PF2_M_RECV3 PF2_M_XMIT0 PF2_M_XMIT1 PF2_M_XMIT2 PF2_M_XMIT3 PF2_N_RECV0 PF2_N_RECV1 PF2_N_RECV2 PF2_N_RECV3 PF2_N_XMIT0 PF2_N_XMIT1 PF2_N_XMIT2 PF2_N_XMIT3 PF2_O_RECV0 PF2_O_RECV1 PF2_O_RECV2 PF2_O_RECV3 PF2_O_XMIT0 PF2_O_XMIT1 PF2_O_XMIT2 PF2_O_XMIT3 PF2_P_RECV0 PF2_P_RECV1 PF2_P_RECV2 PF2_P_RECV3 PF2_P_XMIT0 PF2_P_XMIT1 PF2_P_XMIT2 PF2_P_XMIT3 PF2_TCDS_CROSS_RECV_A PF2_TCDS_CROSS_XMIT_A PMGT_F1_TO_SM_1 PMGT_F1_TO_SM_2 PMGT_F2_TO_SM_1 PMGT_F2_TO_SM_2 PMGT_SM_TO_F1_1 PMGT_SM_TO_F1_2 PMGT_SM_TO_F2_1 PMGT_SM_TO_F2_2 PTCDS_FROM_ZYNQ_A PTCDS_FROM_ZYNQ_B PTCDS_TO_ZYNQ_A PTCDS_TO_ZYNQ_B
